# Altium PCB RockerBox_Rev01.PcbDoc (part 7 of 8)
Units mil, origin at the board's own origin, x right, y up, seen from the top; angles counter-clockwise.
Board outline 5354.33 x 8818.9 mil, 4 copper layers (L1, L2, L3, L4), stack 62.087 mil thick; 579 components, 159 nets, 3624 pads, 3252 vias.
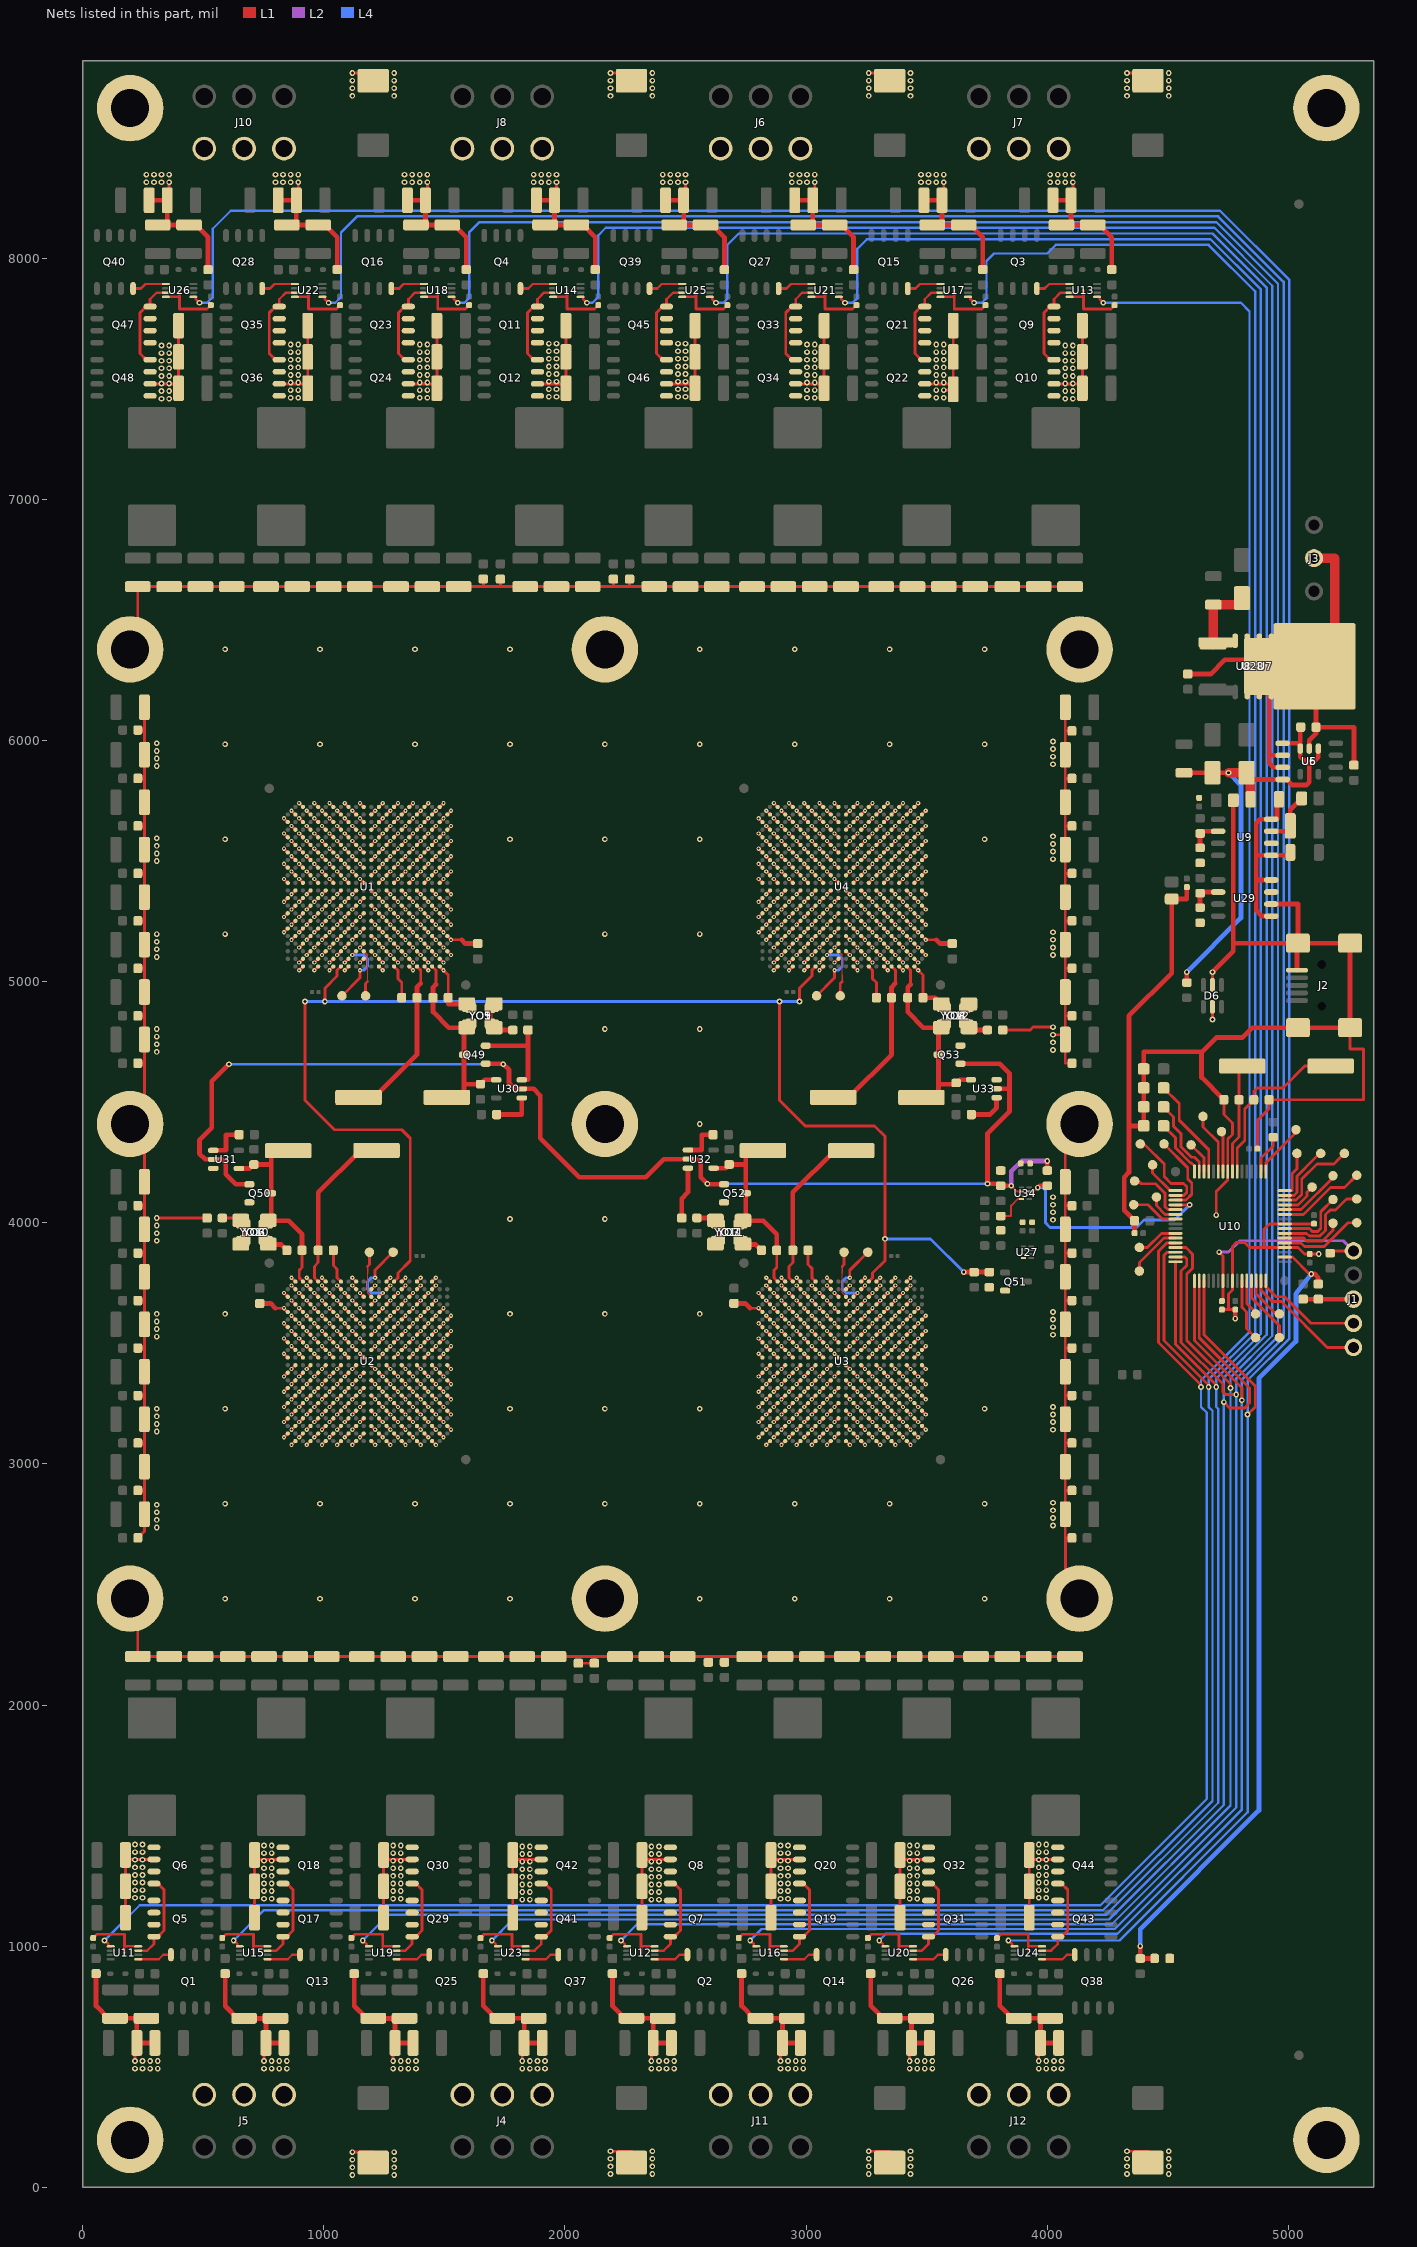
[diagram p9: the nets of this part, all layers, seen from the top]

## Via types
v1: diameter 17.72/17.72/17.72/17.72 (per signal layer), hole 7.87, L1 to L4, 1853 vias
v2: diameter 23.62/23.62/23.62/23.62 (per signal layer), hole 11.81, L1 to L4, 1399 vias

## Nets (pads, with @x,y where several pads share a name; then routed paths per layer and width w, separated by ;. In a path a pad name is that pad's centre, name@x,y a point inside that pad or via, vN(x,y) a via of type N, cw(c..) or ccw(c..) an arc to the next point about the centre after c; other vN are vias at no path point) (continued)
GND: (continued)
  L1 w11.81: U17.9@3614.17,7866.14 3614.17,7839.57 3614.17,7789.37 3728.35,7789.37 C58.2@3744.09,7805.12 ; C121.2@3791.34,1033.46 3807.09,1049.21 3921.26,1049.21 3921.26,999.02 U24.9@3921.26,972.44 ; C230.1@3814.96,4799.21 3929.13,4799.21 3940.94,4811.02 v2(4023.82,4811.02) ; C401.1@3925.2,1118.11 C399.1@3925.2,1248.03 C400.1@3925.2,1359.65 ; C400.1@3925.2,1377.95 C400.1@3925.2,1359.65 ; v2(3964.57,523.62) 3964.57,590.55 C406.1@3972.44,598.43 ; v2(4023.82,4779.53) C221.1@4074.8,4779.53 ; Q10.2@4027.56,7478.94 C377.1@4145.67,7478.94 ; Q44.2@4043.31,1359.65 C400.1@3925.2,1359.65 ; C217.1@4074.8,6137.8 4074.8,6039.37 ; C135.1@4094.49,2200.79 C137.1@3964.57,2200.79 2661.42,2200.79 ; C45.1@4094.49,6637.8 C46.1@3964.57,6637.8 ; C373.1@4098.43,8240.16 4106.3,8248.03 v2(4106.3,8314.96) ; C189.1@4102.36,2692.91 4075,2692.91 ; C190.1@4102.36,2889.76 4074.8,2889.76 ; C191.1@4102.36,3086.61 4074.8,3086.61 ; C192.1@4102.36,3283.46 4074.8,3283.46 ; C193.1@4102.36,3480.31 4074.8,3480.31 ; C194.1@4102.36,3677.17 4074.8,3677.17 ; C195.1@4102.36,3874.02 4074.8,3874.02 ; C196.1@4102.36,4070.87 4074.8,4070.87 ; C175.1@4102.36,4661.42 4074.8,4661.42 C221.1@4074.8,4759.84 C221.1@4074.8,4779.53 ; C169.1@4102.36,4858.27 4074.8,4858.27 ; C172.1@4102.36,5055.12 4074.8,5055.12 ; C170.1@4102.36,5251.97 4074.8,5251.97 ; C173.1@4102.36,5448.82 4074.8,5448.82 ; C174.1@4102.36,5645.67 4074.8,5645.67 ; C167.1@4102.36,5842.52 4074.8,5842.52 ; C176.1@4102.36,6039.37 4074.8,6039.37 ; J20.1@4133.86,2440.94 4075,2496.06 4075,2692.91 ; J17.1@4133.86,4409.45 4074.8,4350.39 C206.1@4074.8,4169.29 4074.8,4070.87 ; C377.1@4145.67,7460.63 C377.1@4145.67,7478.94 ; C376.1@4145.67,7720.47 C375.1@4145.67,7590.55 C377.1@4145.67,7478.94 ; U13.9@4149.61,7866.14 4149.61,7839.57 4149.61,7789.37 4263.78,7789.37 C26.2@4279.53,7805.12 ; v2(4330.71,149.61) 4417.32,149.61 D9.2@4417.32,102.36 ; v2(4330.71,8767.72) 4417.32,8767.72 D32.2@4417.32,8736.22 ; v2(4685.04,4842.52) D6.5@4685.04,4895.67 ; D6.2@4685.04,4986.22 v2(4685.04,5039.37) ; v2(4700.79,4031.5) 4700.79,4129.63 4748.33,4177.17 U10.41@4748.33,4211.93 4748.33,4346.75 4767.72,4366.14 4767.72,4413.39 4732.28,4448.82 C11.2@4732.28,4509.84 ; C5.2@4724.41,3639.76 4752.26,3639.76 ; C9.2@4779.53,3639.76 4752.26,3639.76 ; C4.2@4872.05,4307.09 4872.05,4425.2 4919.29,4472.44 C10.2@4919.29,4509.84 5311.02,4509.84 5311.02,4720.47 5255.91,4720.47 J2.8@5255.91,4809.06 ; C8.2@5106.3,3996.06 5105.63,3995.4 U10.25@4984.55,3995.4 4921.26,3995.4 4897.64,3971.77 4897.64,3896.97 ; v2(5125.98,3870.08) C6.2@5088.58,3870.08 5066.93,3870.08 5040.04,3896.97 U10.20@4984.55,3896.97 4897.64,3896.97 ; 255.91,2889.76 C214.1@255.91,2988.19 255.91,3086.61 ; 255.91,3086.61 C213.1@255.91,3185.04 255.91,3283.46 ; 255.91,3283.46 C212.1@255.91,3381.89 255.91,3480.31 ; 255.91,3480.31 C216.1@255.91,3578.74 255.91,3677.17 ; 255.91,3677.17 C211.1@255.91,3775.59 255.91,3874.02 ; 255.91,3874.02 C210.1@255.91,3972.44 255.91,4070.87 ; 255.91,4070.87 C209.1@255.91,4169.29 255.91,4350.39 J9.1@196.85,4409.45 255.91,4468.5 255.91,4661.42 ; 255.91,4661.42 C164.1@255.91,4759.84 255.91,4858.27 ; 255.91,4858.27 C163.1@255.91,4956.69 255.91,5055.12 ; 255.91,5055.12 C162.1@255.91,5153.54 255.91,5251.97 ; 255.91,5251.97 C161.1@255.91,5350.39 255.91,5448.82 ; 255.91,5448.82 C158.1@255.91,5547.24 255.91,5645.67 ; 255.91,5645.67 C160.1@255.91,5744.09 255.91,5842.52 ; 255.91,5842.52 C159.1@255.91,5940.94 255.91,6043.31 ; 1661.42,6637.8 1732.28,6637.8 ; 1732.28,6637.8 2200.79,6637.8 ; 2122.05,2200.79 2594.49,2200.79 ; 2200.79,6637.8 2267.72,6637.8 ; 2267.72,6637.8 C141.1@2500,6637.8 C220.1@2775.59,6637.8 3960.03,6637.8 C46.1@3960.63,6637.19 ; 2594.49,2200.79 2661.42,2200.79 ; C46.1@3960.63,6637.19 C46.1@3964.57,6637.8 ; C46.1@3960.63,6637.19 3961.23,6637.8 C46.1@3964.57,6637.8 ; 4074.8,2889.76 C200.1@4074.8,2791.34 4074.8,2692.91 4075,2692.91 ; 4074.8,2889.76 C201.1@4074.8,2988.19 4074.8,3086.61 ; 4074.8,3086.61 C203.1@4074.8,3185.04 4074.8,3283.46 ; 4074.8,3283.46 C202.1@4074.8,3381.89 4074.8,3480.31 ; 4074.8,3480.31 C204.1@4074.8,3578.74 4074.8,3677.17 ; 4074.8,3677.17 C205.1@4074.8,3775.59 4074.8,3874.02 ; 4074.8,3874.02 C197.1@4074.8,3972.44 4074.8,4070.87 ; C221.1@4074.8,4779.53 4074.8,4858.27 ; 4074.8,4858.27 C222.1@4074.8,4956.69 4074.8,5055.12 ; 4074.8,5055.12 C223.1@4074.8,5153.54 4074.8,5251.97 ; 4074.8,5251.97 C224.1@4074.8,5350.39 4074.8,5448.82 ; 4074.8,5448.82 C225.1@4074.8,5547.24 4074.8,5645.67 ; 4074.8,5645.67 C218.1@4074.8,5744.09 4074.8,5842.52 ; 4074.8,5842.52 C226.1@4074.8,5940.94 4074.8,6039.37 ; 4752.26,3639.76 4752.26,3704.72 4768.01,3720.47 U10.9@4768.01,3759.18 4768.01,3901.87 4783.46,3917.32 4818.9,3917.32 4839.25,3896.97 4897.64,3896.97
  L1 w19.68: C20.1@55.12,885.83 55.12,751.97 106.3,700.79 C32.1@133.86,700.79 C421.1@224.41,700.79 ; C421.1@263.78,700.79 C421.1@224.41,700.79 ; C144.1@275.59,8240.16 C368.1@350.39,8240.16 C369.1@350.39,8137.8 ; C33.1@299.21,598.43 C420.1@224.41,598.43 C421.1@224.41,700.79 ; C369.1@311.02,8137.8 C369.1@350.39,8137.8 ; C119.1@519.68,7952.76 519.68,8086.61 468.5,8137.8 C143.1@440.94,8137.8 C369.1@350.39,8137.8 ; U31.1@541.37,4300.18 594.49,4300.18 594.49,4365.33 C229.1@648.61,4365.33 ; C52.1@590.55,885.83 590.55,751.97 ; C234.1@733.68,3665.37 779.53,3665.37 799.21,3645.67 ; YO6.2@761.81,3921.26 769.68,3913.39 YO2.2@769.68,3911.42 771.65,3909.45 822.83,3909.45 C244.2@846.46,3885.83 ; C112.1@811.02,8240.16 C363.1@885.83,8240.16 C364.1@885.83,8137.8 ; C364.1@846.46,8137.8 C364.1@885.83,8137.8 ; C87.1@1055.12,7952.76 1055.12,8086.61 1003.94,8137.8 C111.1@976.38,8137.8 C364.1@885.83,8137.8 ; C84.1@1125.98,885.83 1125.98,751.97 ; C80.1@1346.46,8240.16 C358.1@1421.26,8240.16 C359.1@1421.26,8137.8 ; C97.1@1370.08,598.43 C424.1@1295.28,598.43 C425.1@1295.28,700.03 ; C359.1@1381.89,8137.8 C359.1@1421.26,8137.8 ; C242.2@1515.75,4933.07 1515.75,4907.48 YO1.2@1592.52,4907.48 1592.52,4905.51 YO5.2@1600.39,4897.64 ; 1571.06,5173.23 1586.81,5157.48 C233.1@1637.8,5157.48 ; C55.1@1590.55,7952.76 1590.55,8086.61 1539.37,8137.8 C79.1@1511.81,8137.8 C359.1@1421.26,8137.8 ; C116.1@1661.42,885.83 1661.42,751.97 1712.6,700.79 C128.1@1740.16,700.79 C427.1@1830.71,700.79 ; Q49.2@1671.26,4734.25 1846.46,4734.25 ; C238.1@1716.54,4448.82 1820.87,4448.82 U30.1@1820.87,4517.72 ; U30.3@1820.87,4592.52 1846.46,4592.52 1846.46,4734.25 ; C227.1@1846.46,4799.21 1846.46,4734.25 ; C427.1@1870.08,700.79 C427.1@1830.71,700.79 ; C48.1@1881.89,8240.16 C353.1@1956.69,8240.16 C354.1@1956.69,8137.8 ; C129.1@1905.51,598.43 C426.1@1830.71,598.43 C427.1@1830.71,700.79 ; C354.1@1917.32,8137.8 C354.1@1956.69,8137.8 ; C23.1@2125.98,7952.76 2125.98,8086.61 2074.8,8137.8 C47.1@2047.24,8137.8 C354.1@1956.69,8137.8 ; C21.1@2196.85,885.83 2196.85,751.97 2248.03,700.79 C37.1@2275.59,700.79 C349.1@2366.14,700.79 ; C349.1@2405.51,700.79 C349.1@2366.14,700.79 ; C139.1@2417.32,8240.16 C391.1@2492.13,8240.16 C392.1@2492.13,8137.8 ; C38.1@2440.94,598.43 C348.1@2366.14,598.43 C349.1@2366.14,700.79 ; C392.1@2452.76,8137.8 C392.1@2492.13,8137.8 ; C240.1@2484.25,4019.68 2484.25,4100.36 2509.87,4125.98 U32.3@2509.87,4226.38 ; U32.1@2509.87,4301.18 2566.93,4301.18 2566.93,4365.33 C241.1@2614.17,4365.33 ; C118.1@2661.42,7952.76 2661.42,8086.61 2610.24,8137.8 C138.1@2582.68,8137.8 C392.1@2492.13,8137.8 ; C235.1@2700.79,3665.37 2748.03,3665.37 2767.72,3645.67 ; YO11.2@2720.47,3929.13 2729.33,3920.28 YO3.2@2738.19,3911.42 ; YO7.2@2730.31,3921.26 2738.19,3913.39 YO3.2@2738.19,3911.42 ; C53.1@2732.28,885.83 2732.28,751.97 2783.46,700.79 C69.1@2811.02,700.79 C403.1@2901.57,700.79 ; C246.2@2814.96,3885.83 2791.34,3909.45 2740.16,3909.45 YO3.2@2738.19,3911.42 ; C403.1@2940.94,700.79 C403.1@2901.57,700.79 ; C107.1@2952.76,8240.16 C383.1@3027.56,8240.16 C384.1@3027.56,8138.56 ; C70.1@2976.38,598.43 C402.1@2901.57,598.43 C403.1@2901.57,700.79 ; C86.1@3196.85,7952.76 3196.85,8086.61 ; C85.1@3267.72,885.83 3267.72,751.97 3318.9,700.79 C101.1@3346.46,700.79 C405.1@3437.01,700.79 ; C405.1@3476.38,700.79 C405.1@3437.01,700.79 ; C248.2@3484.25,4933.07 3535.43,4933.07 YO4.2@3561.02,4907.48 3561.02,4905.51 YO8.2@3568.9,4897.64 ; C102.1@3511.81,598.43 C404.1@3437.01,598.43 C405.1@3437.01,700.79 ; 3539.57,5173.23 3555.31,5157.48 C237.1@3606.3,5157.48 ; C239.1@3685.04,4448.82 3762.41,4448.82 3789.97,4476.38 U33.1@3789.97,4518.24 ; C54.1@3732.28,7952.76 3732.28,8086.61 ; C117.1@3803.15,885.83 3803.15,751.97 3854.33,700.79 C133.1@3881.89,700.79 C407.1@3972.44,700.79 ; C407.1@4011.81,700.79 C407.1@3972.44,700.79 ; C43.1@4023.62,8240.16 C373.1@4098.43,8240.16 C374.1@4098.43,8137.8 ; C134.1@4047.24,598.43 C406.1@3972.44,598.43 C407.1@3972.44,700.79 ; C374.1@4059.06,8137.8 C374.1@4098.43,8137.8 ; C22.1@4267.72,7952.76 4267.72,8086.61 4216.54,8137.8 C42.1@4188.98,8137.8 C374.1@4098.43,8137.8 ; C7.2@4362.2,3956.69 C2.2@4362.2,4007.87 4318.9,4051.18 4318.9,4188.98 4338.58,4208.66 4338.58,4401.57 ; C232.2@4578.74,5391.73 4578.74,5342.52 C231.2@4515.75,5342.52 4515.75,5035.43 4338.58,4858.27 4338.58,4401.57 ; C12.2@4582.87,6275.59 4677.36,6275.59 4736.42,6334.65 U8.4@4920.08,6334.65 ; v2(4685.04,5039.37) 4771.65,5125.98 4771.65,5159.45 ; C11.2@4732.28,4509.84 4639.76,4602.36 4639.76,4706.82 ; C16.2@4771.65,5751.97 4771.65,5159.45 ; v2(4779.53,3602.36) C9.2@4779.53,3639.76 ; U29.6@4929.13,5321.46 5039.37,5321.46 J2.6@5039.37,5161.42 ; U9.7@4929.13,5623.43 5007.87,5623.43 C13.1@5007.87,5645.67 5008.07,5645.87 5008.07,5712.8 C14.2@5055.12,5759.84 ; U8.4@4942.91,6307.09 U8.4@4920.08,6334.65 ; U6.7@4976.38,5888.39 4937.2,5888.39 4920.08,5905.51 4920.08,5938.39 ; U6.6@4976.38,5938.39 4920.08,5938.39 ; J2.5@5035.43,5047.24 5035.43,5157.48 J2.6@5037.4,5159.45 ; C3.2@5061.02,3683.07 C1.2@5124.02,3683.07 J1.3@5269.68,3683.07 ; U5.2@5086.61,5966.54 5086.61,6000 5114.17,6027.56 C15.2@5114.17,6055.12 ; U7.4@5108.27,6307.09 5004.13,6307.09 4976.57,6334.65 U8.4@4920.08,6334.65 ; U7.4@5114.17,6307.09 C15.2@5114.17,6055.12 ; C347.2@5271.65,5897.64 5271.65,6055.12 C15.2@5114.17,6055.12 ; 590.55,751.97 641.73,700.79 C64.1@669.29,700.79 ; 590.55,751.97 590.55,751.21 641.73,700.03 C64.1@669.29,700.79 ; C64.1@669.29,700.79 C423.1@759.84,700.79 ; C64.1@669.29,700.79 669.29,700.03 C423.1@759.84,700.03 ; C422.1@759.84,598.43 C423.1@759.84,700.03 ; C422.1@759.84,598.43 759.84,597.66 C65.1@834.65,598.43 C422.1@759.84,598.43 ; C423.1@759.84,700.03 C423.1@799.21,700.79 C423.1@759.84,700.79 ; C423.1@759.84,700.03 C423.1@759.84,700.79 ; 1125.98,751.97 1177.17,700.79 C96.1@1204.72,700.79 ; 1125.98,751.97 1125.98,751.21 1177.17,700.03 C96.1@1204.72,700.79 ; C96.1@1204.72,700.79 1204.72,700.03 C425.1@1295.28,700.03 ; C96.1@1204.72,700.79 C425.1@1295.28,700.79 ; C425.1@1295.28,700.03 C425.1@1334.65,700.79 C425.1@1295.28,700.79 ; C425.1@1295.28,700.03 C425.1@1295.28,700.79 ; C384.1@3027.56,8137.8 C384.1@2988.19,8137.8 C384.1@3027.56,8138.56 ; C384.1@3027.56,8137.8 C106.1@3118.11,8137.8 ; C384.1@3027.56,8137.8 C384.1@3027.56,8138.56 ; C384.1@3027.56,8138.56 3118.11,8138.56 C106.1@3118.11,8137.8 ; C106.1@3118.11,8137.8 3145.67,8137.8 3196.85,8086.61 ; C106.1@3118.11,8137.8 3145.67,8138.56 3196.85,8087.37 3196.85,8086.61 ; C379.1@3562.99,8137.8 C379.1@3523.62,8137.8 C379.1@3562.99,8138.56 ; C379.1@3562.99,8137.8 C74.1@3653.54,8137.8 ; C379.1@3562.99,8137.8 C379.1@3562.99,8138.56 ; C379.1@3562.99,8138.56 C378.1@3562.99,8240.16 ; C379.1@3562.99,8138.56 3653.54,8138.56 C74.1@3653.54,8137.8 ; C378.1@3562.99,8240.16 3562.99,8240.92 C75.1@3488.19,8240.16 C378.1@3562.99,8240.16 ; C74.1@3653.54,8137.8 3681.1,8137.8 3732.28,8086.61 ; C74.1@3653.54,8137.8 3681.1,8138.56 3732.28,8087.37 3732.28,8086.61 ; 4338.58,4401.57 D1.1@4399.61,4401.57 D2.1@4399.61,4480.31 D4.1@4399.61,4559.06 D3.1@4399.61,4637.8 4399.61,4708.66 4639.76,4708.66 4639.76,4706.82 ; 4639.76,4706.82 4700.66,4767.72 4809.06,4767.72 4850.39,4809.06 J2.8@5255.91,4809.06 J2.7@5255.91,5159.45 J2.6@5039.37,5159.45 ; 4771.65,5159.45 J2.6@5037.4,5159.45 ; 4920.08,5938.39 4920.08,6307.09 U8.4@4920.08,6334.65 ; J2.6@5037.4,5159.45 J2.6@5039.37,5159.45 ; J2.6@5037.4,5159.45 J2.6@5039.37,5161.42 ; J2.6@5039.37,5159.45 J2.6@5039.37,5161.42
  L1 w39.37: J3.2@5106.3,6755.91 5193.11,6755.91 5193.11,6307.09 5114.17,6307.09 U7.4@5108.27,6307.09
  other v2: 1118.11,51.18 1291.34,51.18 2188.98,55.12 2362.2,55.12 3259.84,55.12 3433.07,55.12 4330.71,55.12 4503.94,55.12 1118.11,82.68 1291.34,82.68 2188.98,86.61 2362.2,86.61 3259.84,86.61 3433.07,86.61 4330.71,86.61 4503.94,86.61 1118.11,114.17 1291.34,114.17 2188.98,118.11 2362.2,118.11 3259.84,118.11 3433.07,118.11 4330.71,118.11 4503.94,118.11 1291.34,145.67 2362.2,149.61 3433.07,149.61 4503.94,149.61 216.54,492.13 248.03,492.13 279.53,492.13 311.02,492.13 751.97,492.13 783.46,492.13 814.96,492.13 846.46,492.13 1287.4,492.13 1318.9,492.13 1350.39,492.13 1381.89,492.13 1822.83,492.13 1854.33,492.13 1885.83,492.13 1917.32,492.13 2358.27,492.13 2389.76,492.13 2421.26,492.13 2452.76,492.13 2893.7,492.13 2925.2,492.13 2956.69,492.13 2988.19,492.13 3429.13,492.13 3460.63,492.13 3492.13,492.13 3523.62,492.13 3964.57,492.13 3996.06,492.13 4027.56,492.13 4059.06,492.13 248.03,523.62 279.53,523.62 311.02,523.62 783.46,523.62 814.96,523.62 846.46,523.62 1318.9,523.62 1350.39,523.62 1381.89,523.62 1854.33,523.62 1885.83,523.62 1917.32,523.62 2389.76,523.62 2421.26,523.62 2452.76,523.62 2925.2,523.62 2956.69,523.62 2988.19,523.62 3460.63,523.62 3492.13,523.62 3523.62,523.62 3996.06,523.62 4027.56,523.62 4059.06,523.62 1822.83,1192.91 1854.33,1192.91 2358.27,1192.91 2389.76,1192.91 751.97,1196.85 783.46,1196.85 1287.4,1196.85 1318.9,1196.85 2893.7,1196.85 2925.2,1196.85 3429.13,1196.85 3460.63,1196.85 216.54,1200.79 248.03,1200.79 3964.57,1200.79 3996.06,1200.79 1822.83,1224.41 1854.33,1224.41 2358.27,1224.41 2389.76,1224.41 751.97,1228.35 783.46,1228.35 1287.4,1228.35 1318.9,1228.35 2893.7,1228.35 2925.2,1228.35 3429.13,1228.35 3460.63,1228.35 216.54,1232.28 248.03,1232.28 3964.57,1232.28 3996.06,1232.28 1822.83,1255.91 1854.33,1255.91 2358.27,1255.91 2389.76,1255.91 751.97,1259.84 783.46,1259.84 1287.4,1259.84 1318.9,1259.84 2893.7,1259.84 2925.2,1259.84 3429.13,1259.84 3460.63,1259.84 216.54,1263.78 248.03,1263.78 3964.57,1263.78 3996.06,1263.78 1822.83,1287.4 1854.33,1287.4 2358.27,1287.4 2389.76,1287.4 751.97,1291.34 783.46,1291.34 1287.4,1291.34 1318.9,1291.34 2893.7,1291.34 2925.2,1291.34 3429.13,1291.34 3460.63,1291.34 216.54,1295.28 248.03,1295.28 3964.57,1295.28 3996.06,1295.28 1822.83,1318.9 1854.33,1318.9 2358.27,1318.9 2389.76,1318.9 751.97,1322.83 783.46,1322.83 1287.4,1322.83 1318.9,1322.83 2893.7,1322.83 2925.2,1322.83 3429.13,1322.83 3460.63,1322.83 216.54,1326.77 248.03,1326.77 3964.57,1326.77 3996.06,1326.77 1822.83,1350.39 1854.33,1350.39 2358.27,1350.39 2389.76,1350.39 751.97,1354.33 783.46,1354.33 1287.4,1354.33 1318.9,1354.33 2893.7,1354.33 2925.2,1354.33 3429.13,1354.33 3460.63,1354.33 216.54,1358.27 248.03,1358.27 3964.57,1358.27 3996.06,1358.27 1822.83,1381.89 1854.33,1381.89 2358.27,1381.89 2389.76,1381.89 751.97,1385.83 783.46,1385.83 1287.4,1385.83 1318.9,1385.83 2893.7,1385.83 2925.2,1385.83 3429.13,1385.83 3460.63,1385.83 216.54,1389.76 248.03,1389.76 3964.57,1389.76 3996.06,1389.76 1822.83,1413.39 1854.33,1413.39 2358.27,1413.39 2389.76,1413.39 751.97,1417.32 783.46,1417.32 1287.4,1417.32 1318.9,1417.32 2893.7,1417.32 2925.2,1417.32 3429.13,1417.32 3460.63,1417.32 216.54,1421.26 248.03,1421.26 3964.57,1421.26 3996.06,1421.26 590.55,2440.94 984.25,2440.94 1377.95,2440.94 1771.65,2440.94 2559.06,2440.94 2952.76,2440.94 3346.46,2440.94 3740.16,2440.94 307.28,2736.22 4023.82,2744.09 307.28,2767.72 4023.82,2775.59 307.28,2799.21 4023.82,2807.09 307.28,2830.71 590.55,2834.65 984.25,2834.65 1377.95,2834.65 1771.65,2834.65 2165.35,2834.65 2559.06,2834.65 2952.76,2834.65 3346.46,2834.65 3740.16,2834.65 4023.82,2838.58 307.28,3133.86 4023.82,3141.73 307.28,3165.35 4023.82,3173.23 307.28,3196.85 4023.82,3204.72 307.28,3228.35 590.55,3228.35 1771.65,3228.35 2165.35,3228.35 2559.06,3228.35 3740.16,3228.35 4023.82,3236.22 307.28,3527.56 4023.82,3535.43 307.28,3559.06 4023.82,3566.93 307.28,3590.55 4023.82,3598.43 307.28,3622.05 590.55,3622.05 1771.65,3622.05 2165.35,3622.05 2559.06,3622.05 4023.82,3629.92 307.28,3925.2 307.28,3956.69 307.28,3988.19 4023.62,4011.81 1771.65,4015.75 2165.35,4015.75 4023.82,4043.31 4023.82,4074.8 4023.82,4106.3 2559.06,4409.45 307.28,4708.66 4023.82,4716.54 307.28,4740.16 4023.82,4748.03 307.28,4771.65 307.28,4803.15 2165.35,4803.15 2559.06,4803.15 307.28,5102.36 4023.82,5110.24 307.28,5133.86 4023.82,5141.73 307.28,5165.35 4023.82,5173.23 307.28,5196.85 590.55,5196.85 2165.35,5196.85 2559.06,5196.85 4023.82,5204.72 307.28,5500 4023.82,5507.87 307.28,5531.5 4023.82,5539.37 307.28,5562.99 4023.82,5570.87 590.55,5590.55 1771.65,5590.55 2165.35,5590.55 2559.06,5590.55 3740.16,5590.55 307.28,5594.49 4023.82,5602.36 307.28,5893.7 4023.82,5901.57 307.28,5925.2 4023.82,5933.07 307.28,5956.69 4023.82,5964.57 590.55,5984.25 984.25,5984.25 1377.95,5984.25 1771.65,5984.25 2165.35,5984.25 2559.06,5984.25 2952.76,5984.25 3346.46,5984.25 3740.16,5984.25 307.28,5988.19 4023.82,5996.06 590.55,6377.95 984.25,6377.95 1377.95,6377.95 1771.65,6377.95 2559.06,6377.95 2952.76,6377.95 3346.46,6377.95 3740.16,6377.95 326.77,7417.32 358.27,7417.32 4074.8,7417.32 4106.3,7417.32 862.2,7421.26 893.7,7421.26 1397.64,7421.26 1429.13,7421.26 3003.94,7421.26 3035.43,7421.26 3539.37,7421.26 3570.87,7421.26 1933.07,7425.2 1964.57,7425.2 2468.5,7425.2 2500,7425.2 326.77,7448.82 358.27,7448.82 4074.8,7448.82 4106.3,7448.82 862.2,7452.76 893.7,7452.76 1397.64,7452.76 1429.13,7452.76 3003.94,7452.76 3035.43,7452.76 3539.37,7452.76 1933.07,7456.69 1964.57,7456.69 2468.5,7456.69 2500,7456.69 326.77,7480.31 358.27,7480.31 4074.8,7480.31 4106.3,7480.31 862.2,7484.25 893.7,7484.25 1397.64,7484.25 1429.13,7484.25 3003.94,7484.25 3035.43,7484.25 3539.37,7484.25 3570.87,7484.25 1933.07,7488.19 1964.57,7488.19 2468.5,7488.19 2500,7488.19 326.77,7511.81 358.27,7511.81 4074.8,7511.81 4106.3,7511.81 862.2,7515.75 893.7,7515.75 1397.64,7515.75 1429.13,7515.75 3003.94,7515.75 3035.43,7515.75 3539.37,7515.75 3570.87,7515.75 1933.07,7519.69 1964.57,7519.69 2468.5,7519.69 2500,7519.69 326.77,7543.31 358.27,7543.31 4074.8,7543.31 4106.3,7543.31 862.2,7547.24 893.7,7547.24 1397.64,7547.24 1429.13,7547.24 3003.94,7547.24 3035.43,7547.24 3539.37,7547.24 3570.87,7547.24 1933.07,7551.18 1964.57,7551.18 2468.5,7551.18 2500,7551.18 326.77,7574.8 358.27,7574.8 4074.8,7574.8 4106.3,7574.8 862.2,7578.74 893.7,7578.74 1397.64,7578.74 1429.13,7578.74 3003.94,7578.74 3035.43,7578.74 3539.37,7578.74 3570.87,7578.74 1933.07,7582.68 1964.57,7582.68 2468.5,7582.68 2500,7582.68 326.77,7606.3 358.27,7606.3 4074.8,7606.3 4106.3,7606.3 862.2,7610.24 893.7,7610.24 1397.64,7610.24 1429.13,7610.24 3003.94,7610.24 3035.43,7610.24 3539.37,7610.24 3570.87,7610.24 1933.07,7614.17 1964.57,7614.17 2468.5,7614.17 2500,7614.17 326.77,7637.8 358.27,7637.8 4074.8,7637.8 4106.3,7637.8 862.2,7641.73 893.7,7641.73 1397.64,7641.73 1429.13,7641.73 3003.94,7641.73 3035.43,7641.73 3539.37,7641.73 3570.87,7641.73 1933.07,7645.67 1964.57,7645.67 2468.5,7645.67 2500,7645.67 263.78,8314.96 295.28,8314.96 326.77,8314.96 799.21,8314.96 830.71,8314.96 862.2,8314.96 1334.65,8314.96 1366.14,8314.96 1397.64,8314.96 1870.08,8314.96 1901.57,8314.96 1933.07,8314.96 2405.51,8314.96 2437.01,8314.96 2468.5,8314.96 2940.94,8314.96 2972.44,8314.96 3003.94,8314.96 3476.38,8314.96 3507.87,8314.96 3539.37,8314.96 4011.81,8314.96 4043.31,8314.96 4074.8,8314.96 263.78,8346.46 295.28,8346.46 326.77,8346.46 358.27,8346.46 799.21,8346.46 830.71,8346.46 862.2,8346.46 893.7,8346.46 1334.65,8346.46 1366.14,8346.46 1397.64,8346.46 1429.13,8346.46 1870.08,8346.46 1901.57,8346.46 1933.07,8346.46 1964.57,8346.46 2405.51,8346.46 2437.01,8346.46 2468.5,8346.46 2500,8346.46 2940.94,8346.46 2972.44,8346.46 3003.94,8346.46 3035.43,8346.46 3476.38,8346.46 3507.87,8346.46 3539.37,8346.46 3570.87,8346.46 4011.81,8346.46 4043.31,8346.46 4074.8,8346.46 4106.3,8346.46 1118.11,8673.23 1291.34,8673.23 2188.98,8673.23 2362.2,8673.23 3259.84,8673.23 3433.07,8673.23 4330.71,8673.23 4503.94,8673.23 1118.11,8704.72 1291.34,8704.72 2188.98,8704.72 2362.2,8704.72 3259.84,8704.72 3433.07,8704.72 4330.71,8704.72 4503.94,8704.72 1118.11,8736.22 1291.34,8736.22 2188.98,8736.22 2362.2,8736.22 3259.84,8736.22 3433.07,8736.22 4330.71,8736.22 4503.94,8736.22 1291.34,8767.72 2362.2,8767.72 3433.07,8767.72 4503.94,8767.72
GREEN: D2.2 U10.47 | length 336.6
  L1 w11.81: D2.2@4482.28,4480.31 4523.62,4438.98 4523.62,4400.22 4555.12,4368.73 4555.12,4314.96 4598.43,4271.65 4610.24,4271.65 4630.22,4251.67 U10.47@4630.22,4211.93
HO1: Q1.4 U11.1 | length 143.4
  L1 w9.84: U11.1@230.31,945.87 314.96,945.87 333.66,964.57